# Allegro board CHIP_ALPHA_V_021.brd (continued)
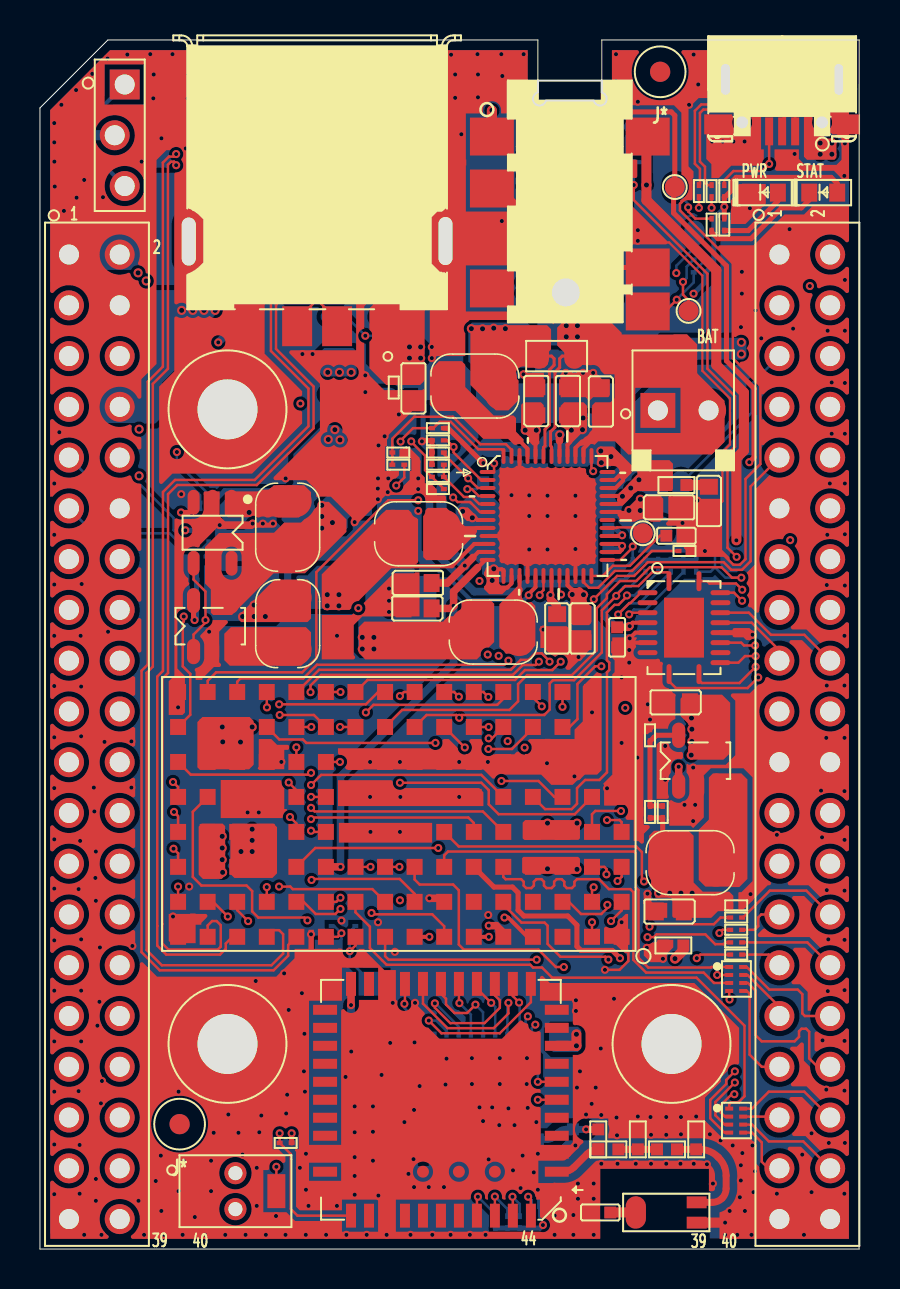
[diagram p0: board, top side]
## Text on the board (continued)
Ref Des/Silkscreen Bottom: X1 | Y1 | D4 | D2 | D6 | D18 | D10 | D12 | D14 | SCK1 | D20 | D22 | DCLK | >>GND | +5V | +3V3 | +1V8 | SDA1 | MIC | TVOUT | EARCON | D5 | D7 | D11 | D13 | D15 | D3 | PWM0 | X2 | Y2 | D19 | D21 | D23 | DH<SYNC>V | DE | BAT | ONSW | 5VIN | TS | GND | P0 | P2 | P4 | P6 | CD0 | CD2 | CD4 | CD6 | TX | RX | FEL | ADC | INT1 | SDA2 | CPCK | CC-BY-SA DOCS.NEXTTHING.CO | MICM | HPL | HCOM | HPR | MIC1 | P1 | P3 | P5 | P7 | INT3 | SCK2 | CCK | CV<SYNC>H | CD7 | CD1 | CD3 | CD5 | U13 | U14
Ref Des/Silkscreen Top: 1 | 39 | 2 | 40 | BAT | PWR | STAT
USER_PART_NUM_BOTTOM: 44 | 39 | SW2 | 40 | LED | SW1 | 1 | 2 | J4 | SC3805R-V00 | J5 | WIFI | 15042400 | J1 | U13 | DC | U14
COMPVAL_TYPE_TOP: 1 | 2 | 3 | 4 | 6 | 5 | 7 | 8
DISPLAY_TOP: FIGURE | SIZE | 8.0 | 10.0 | 27.6 | 39.37 | 118.11 | 23.62 | 55.12 | 61.02x17.72 | 94.49x27.56 | DRILL CHART: TOP to BOTTOM | ALL UNITS ARE IN MILS | TOLERANCE | +1.0/-1.0 | +3.0/-3.0 | +2.99/-2.99 | +2.01/-2.01 | PLATED | NON-PLATED | QTY | 642 | 123 | 2 | 85 | 3 | 1
